# Altium PCB GEM_AFE_128.PcbDoc (part 5 of 18) (continued)
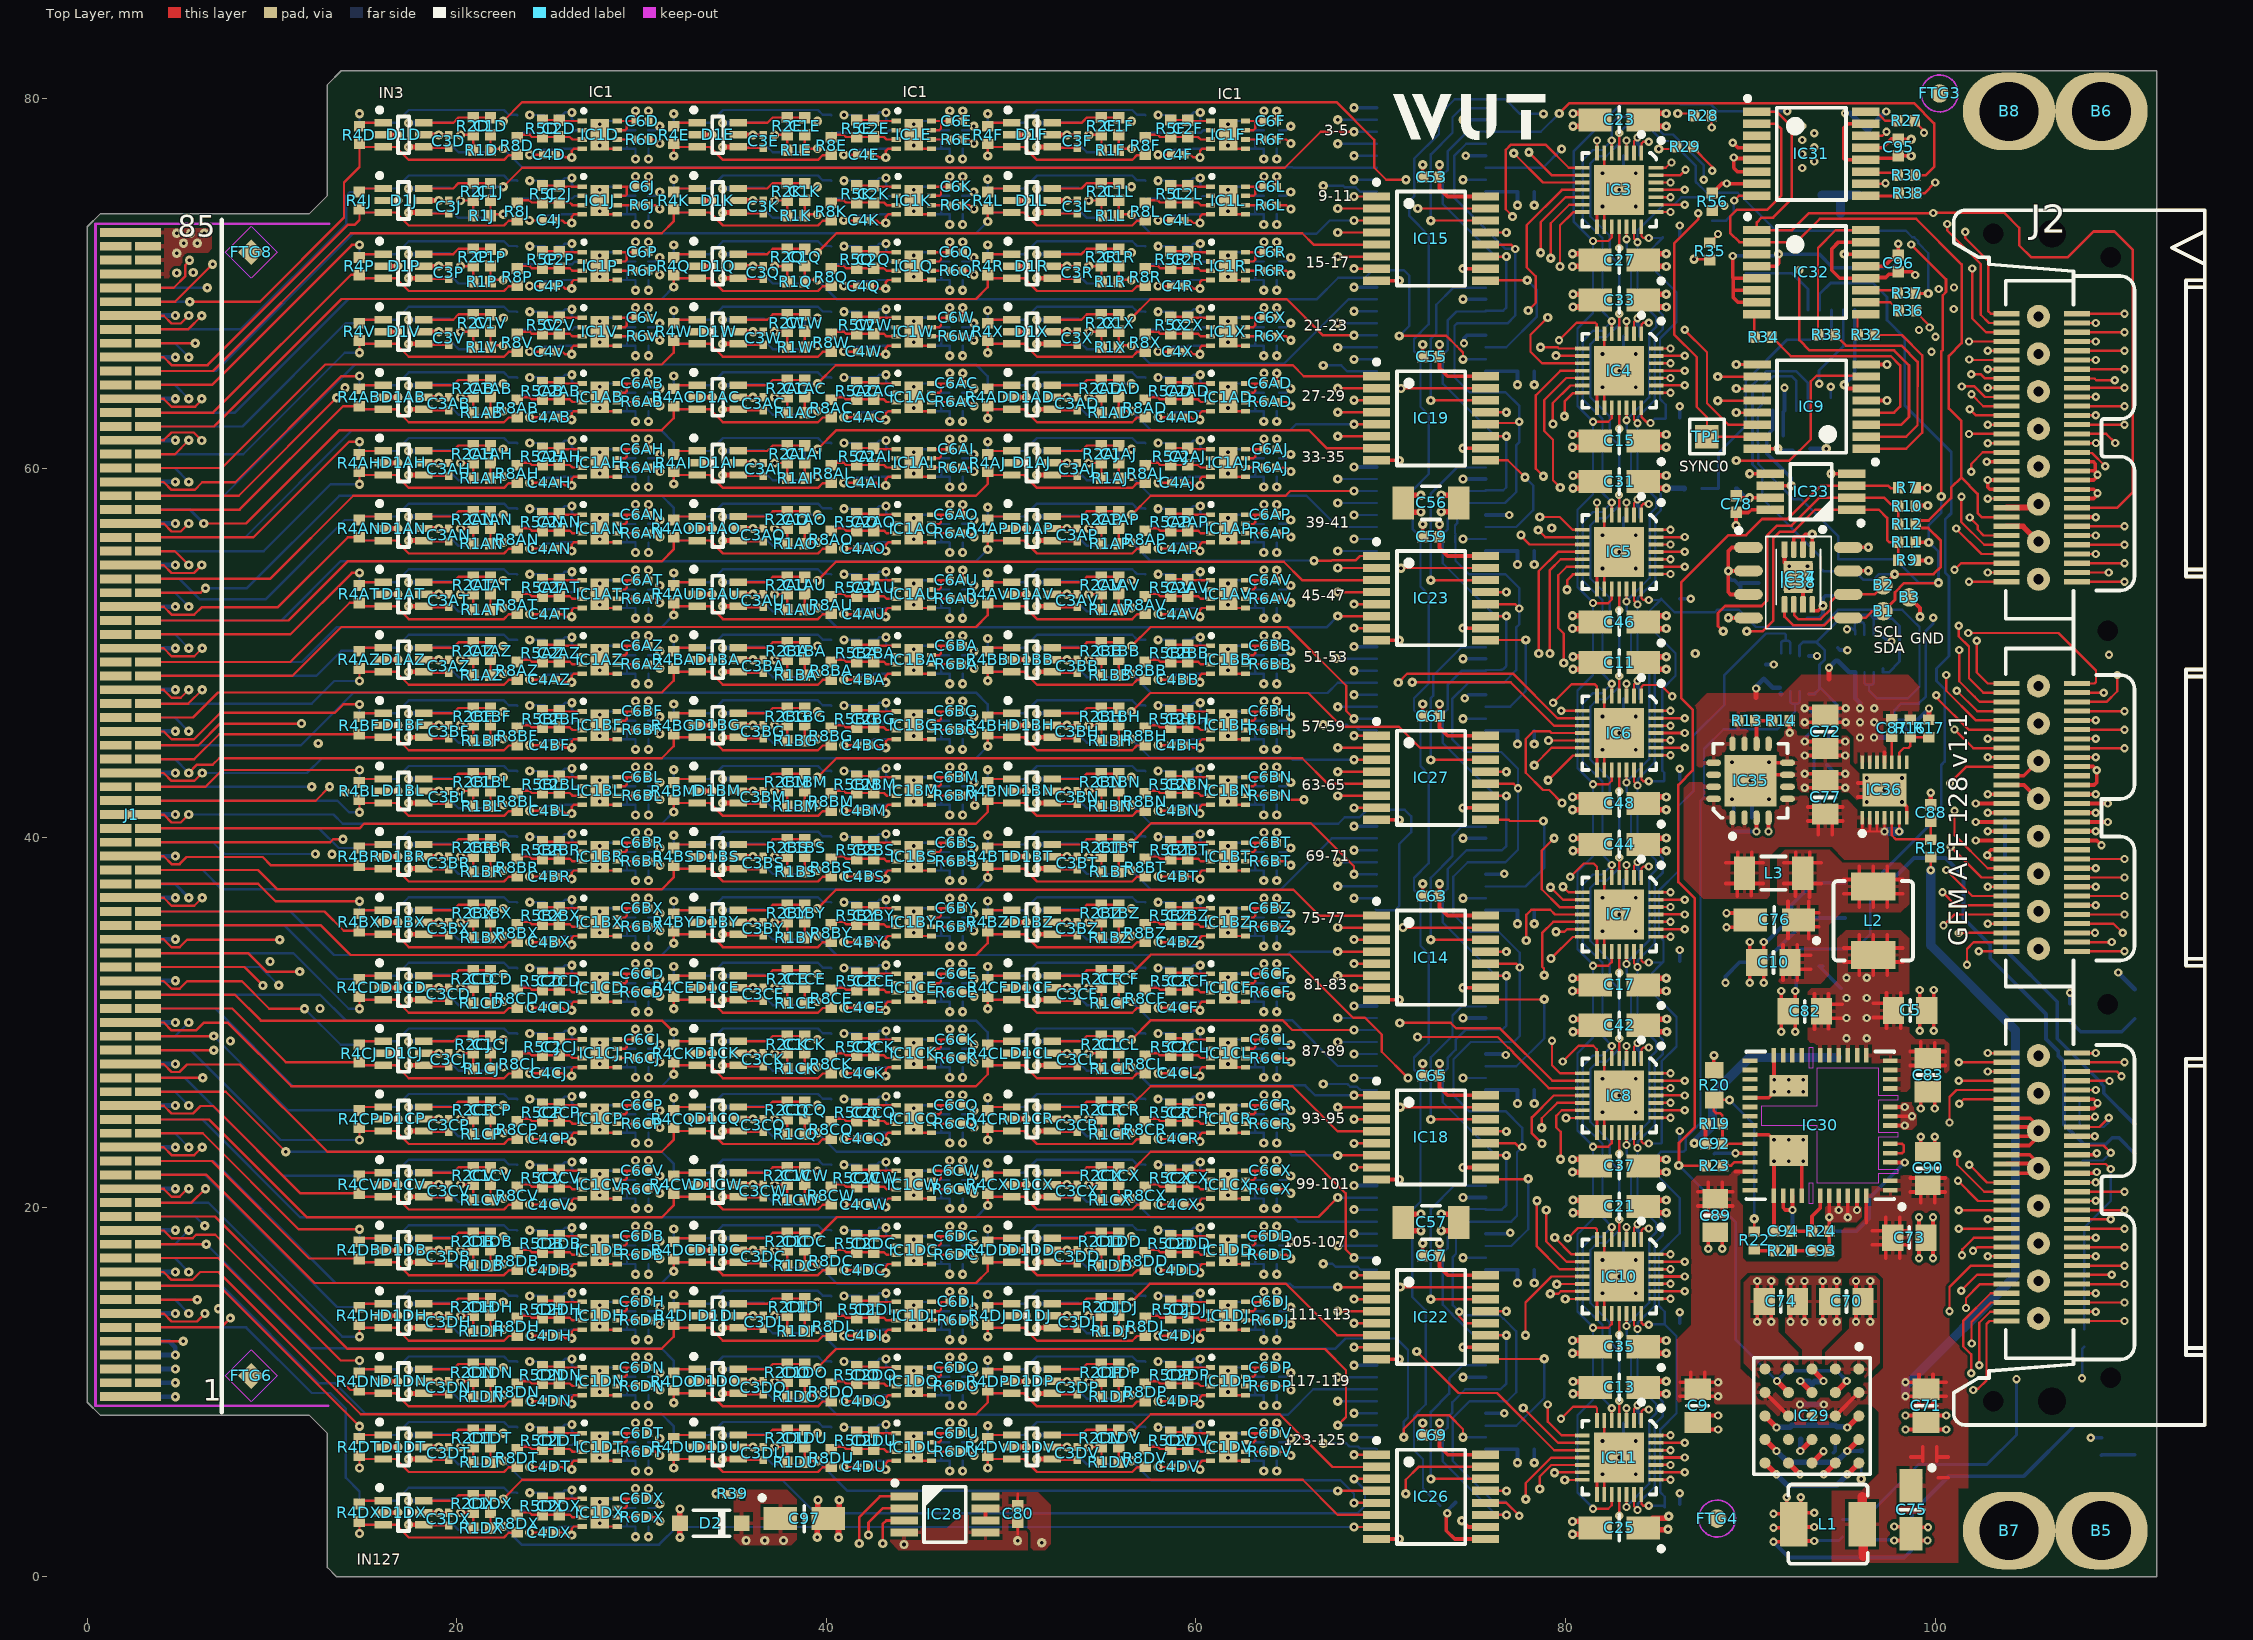
[diagram p0: Top Layer view]
## Part data (continued)
L4: library part IND0603_MURATA_BLM18PG471SN1D, Case=0603, Manufacturer=MURATA, Manufacturer Part Number=BLM18PG471SN1D, Power=1A, Resistance=0.2R, Tolerance=±25%, Author="CERN DEM BC", Component Type=Standard, ComponentHeight=0.95mm, CreateDate=17.02.2021, HelpURL=\\cern.ch\dfs\Applications\Altium\Datasheets\IND0603_MURATA_BLM18P.pdf, LatestRevisionDate=17.02.2021, Mounted=Yes, Part Description="SMD EMIFIL Chip Ferrite Bead", Part Number=IND0603_MURATA_BLM18PG471SN1D, Pin Count=2, Sense=No, SMD=Yes, Socket=No
LD1 LD2 LD3: library part LED_KINGBRIGHT_KPA-1606CGCK, "LED Green 1C 2A", Case=0603, Manufacturer=KINGBRIGHT, Manufacturer Part Number=KPA-1606CGCK, Author="CERN DEM MR", Bonding=No, Color=Green, Component Type=Standard, ComponentHeight=1.2mm, CreateDate=18.12.2017, HelpURL=\\cern.ch\dfs\Applications\Altium\Datasheets\LED_KINGBRIGHT_KPA-1606CGCK.pdf, LatestRevisionDate=18.12.2017, Mounted=Yes, PackageDescription="SMT Green LED, Right Angle Mount, Body L 1.6 x W 0.6mm H 1.2mm", Part Description="SMD Green LED, Right Angle Mount, Body L 1.6 x W 0.6mm, 1.2mm Thickness", Part Number=LED_KINGBRIGHT_KPA-1606CGCK, Pin Count=2, PressFit=No, Sense=No, SMD=Yes, Socket=No, Status="Not Recommended"
R1A R1AA R1AB R1AC R1AD R1AE R1AF R1AG R1AH R1AI R1AJ R1AK R1AL R1AM R1AN R1AO R1AP R1AQ R1AR R1AS R1AT R1AU R1AV R1AW R1AX R1AY R1AZ R1B R1BA R1BB R1BC R1BD R1BE R1BF R1BG R1BH R1BI R1BJ R1BK R1BL R1BM R1BN R1BO R1BP R1BQ R1BR R1BS R1BT R1BU R1BV R1BW R1BX R1BY R1BZ R1C R1CA R1CB R1CC R1CD R1CE R1CF R1CG R1CH R1CI R1CJ R1CK R1CL R1CM R1CN R1CO R1CP R1CQ R1CR R1CS R1CT R1CU R1CV R1CW R1CX R1CY R1CZ R1D R1DA R1DB R1DC R1DD R1DE R1DF R1DG R1DH R1DI R1DJ R1DK R1DL R1DM R1DN R1DO R1DP R1DQ R1DR R1DS R1DT R1DU R1DV R1DW R1DX R1E R1F R1G R1H R1I R1J R1K R1L R1M R1N R1O R1P R1Q R1R R1S R1T R1U R1V R1W R1X R1Y R1Z R2A R2AA R2AB R2AC R2AD R2AE R2AF R2AG R2AH R2AI R2AJ R2AK R2AL R2AM R2AN R2AO R2AP R2AQ R2AR R2AS R2AT R2AU R2AV R2AW R2AX R2AY R2AZ R2B R2BA R2BB R2BC R2BD R2BE R2BF R2BG R2BH R2BI R2BJ R2BK R2BL R2BM R2BN R2BO R2BP R2BQ R2BR R2BS R2BT R2BU R2BV R2BW R2BX R2BY R2BZ R2C R2CA R2CB R2CC R2CD R2CE R2CF R2CG R2CH R2CI R2CJ R2CK R2CL R2CM R2CN R2CO R2CP R2CQ R2CR R2CS R2CT R2CU R2CV R2CW R2CX R2CY R2CZ R2D R2DA R2DB R2DC R2DD R2DE R2DF R2DG R2DH R2DI R2DJ R2DK R2DL R2DM R2DN R2DO R2DP R2DQ R2DR R2DS R2DT R2DU R2DV R2DW R2DX R2E R2F R2G R2H R2I R2J R2K R2L R2M R2N R2O R2P R2Q R2R R2S R2T R2U R2V R2W R2X R2Y R2Z: library part R0402_100K_1%_0.0625W_100PPM, "Resistor - 1%", Case=0402, Manufacturer=GENERIC, Manufacturer1 ComponentHeight=0.4mm, Manufacturer1 Example="YAGEO PHYCOMP", Manufacturer1 Part Number=232270671004L, Power=0.0625W, Tolerance=±1%, Author="CERN DEM JLC", Component Type=Standard, CreateDate=2007-12-03, HelpURL=\\cern.ch\dfs\Applications\Altium\Datasheets\R0402_Phycomp_RC0402.pdf, LatestRevisionDate=2012-10-17, Manufacturer Part Number=R0402_100K_1%_0.0625W_100PPM, Mounted=Yes, Part Description="General Purpose Thick Film Chip Resistor", Part Number=R0402_100K_1%_0.0625W_100PPM, Pin Count=2, SMD=Yes, Socket=No, Status="Not recommended", Table="Resistors SMD", TC=±100ppm/°C
R3 R41 R44: library part R0402_1K_1%_0.0625W_100PPM, "Resistor - 1%", Case=0402, Manufacturer=GENERIC, Manufacturer1 ComponentHeight=0.4mm, Manufacturer1 Example="YAGEO PHYCOMP", Manufacturer1 Part Number=232270671002L, Power=0.0625W, Tolerance=±1%, Author="CERN DEM JLC", Component Type=Standard, CreateDate=03.12.2007, HelpURL=\\cern.ch\dfs\Applications\Altium\Datasheets\R0402_Phycomp_RC0402.pdf, LatestRevisionDate=17.10.2012, Manufacturer Part Number=R0402_1K_1%_0.0625W_100PPM, Mounted=Yes, Part Description="General Purpose Thick Film Chip Resistor", Part Number=R0402_1K_1%_0.0625W_100PPM, Pin Count=2, PressFit=No, Sense=No, SMD=Yes, Socket=No, Status="Not Recommended", TC=±100ppm/°C
R4A R4AA R4AB R4AC R4AD R4AE R4AF R4AG R4AH R4AI R4AJ R4AK R4AL R4AM R4AN R4AO R4AP R4AQ R4AR R4AS R4AT R4AU R4AV R4AW R4AX R4AY R4AZ R4B R4BA R4BB R4BC R4BD R4BE R4BF R4BG R4BH R4BI R4BJ R4BK R4BL R4BM R4BN R4BO R4BP R4BQ R4BR R4BS R4BT R4BU R4BV R4BW R4BX R4BY R4BZ R4C R4CA R4CB R4CC R4CD R4CE R4CF R4CG R4CH R4CI R4CJ R4CK R4CL R4CM R4CN R4CO R4CP R4CQ R4CR R4CS R4CT R4CU R4CV R4CW R4CX R4CY R4CZ R4D R4DA R4DB R4DC R4DD R4DE R4DF R4DG R4DH R4DI R4DJ R4DK R4DL R4DM R4DN R4DO R4DP R4DQ R4DR R4DS R4DT R4DU R4DV R4DW R4DX R4E R4F R4G R4H R4I R4J R4K R4L R4M R4N R4O R4P R4Q R4R R4S R4T R4U R4V R4W R4X R4Y R4Z: library part R0402_6K8_1%_0.0625W_100PPM, "Resistor - 1%", Case=0402, Manufacturer=GENERIC, Manufacturer1 ComponentHeight=0.4mm, Manufacturer1 Example="YAGEO PHYCOMP", Manufacturer1 Part Number=232270676802L, Power=0.0625W, Tolerance=±1%, Author="CERN DEM JLC", Component Type=Standard, CreateDate=03.12.2007, HelpURL=\\cern.ch\dfs\Applications\Altium\Datasheets\R0402_Phycomp_RC0402.pdf, LatestRevisionDate=17.10.2012, Manufacturer Part Number=R0402_6K8_1%_0.0625W_100PPM, Mounted=Yes, Part Description="General Purpose Thick Film Chip Resistor", Part Number=R0402_6K8_1%_0.0625W_100PPM, Pin Count=2, PressFit=No, Sense=No, SMD=Yes, Socket=No, Status="Not Recommended", TC=±100ppm/°C
R5A R5AA R5AB R5AC R5AD R5AE R5AF R5AG R5AH R5AI R5AJ R5AK R5AL R5AM R5AN R5AO R5AP R5AQ R5AR R5AS R5AT R5AU R5AV R5AW R5AX R5AY R5AZ R5B R5BA R5BB R5BC R5BD R5BE R5BF R5BG R5BH R5BI R5BJ R5BK R5BL R5BM R5BN R5BO R5BP R5BQ R5BR R5BS R5BT R5BU R5BV R5BW R5BX R5BY R5BZ R5C R5CA R5CB R5CC R5CD R5CE R5CF R5CG R5CH R5CI R5CJ R5CK R5CL R5CM R5CN R5CO R5CP R5CQ R5CR R5CS R5CT R5CU R5CV R5CW R5CX R5CY R5CZ R5D R5DA R5DB R5DC R5DD R5DE R5DF R5DG R5DH R5DI R5DJ R5DK R5DL R5DM R5DN R5DO R5DP R5DQ R5DR R5DS R5DT R5DU R5DV R5DW R5DX R5E R5F R5G R5H R5I R5J R5K R5L R5M R5N R5O R5P R5Q R5R R5S R5T R5U R5V R5W R5X R5Y R5Z R7 R9 R10 R14 R21 R22 R42 R43 R45 R56: library part R0402_10K_1%_0.0625W_100PPM, "Resistor - 1%", Case=0402, Manufacturer=GENERIC, Manufacturer1 ComponentHeight=0.4mm, Manufacturer1 Example="YAGEO PHYCOMP", Manufacturer1 Part Number=232270671003L, Power=0.0625W, Tolerance=±1%, Author="CERN DEM JLC", Component Type=Standard, HelpURL=\\cern.ch\dfs\Applications\Altium\Datasheets\R0402_Phycomp_RC0402.pdf, Manufacturer Part Number=R0402_10K_1%_0.0625W_100PPM, Mounted=Yes, Part Description="General Purpose Thick Film Chip Resistor", Part Number=R0402_10K_1%_0.0625W_100PPM, Pin Count=2, SMD=Yes, Socket=No, TC=±100ppm/°C
  R5A R5AA R5AB R5AC R5AD R5AE R5AF R5AG R5AH R5AI R5AJ R5AK R5AL R5AM R5AN R5AO R5AP R5AQ R5AR R5AS R5AT R5AU R5AV R5AW R5AX R5AY R5AZ R5B R5BA R5BB R5BC R5BD R5BE R5BF R5BG R5BH R5BI R5BJ R5BK R5BL R5BM R5BN R5BO R5BP R5BQ R5BR R5BS R5BT R5BU R5BV R5BW R5BX R5BY R5BZ R5C R5CA R5CB R5CC R5CD R5CE R5CF R5CG R5CH R5CI R5CJ R5CK R5CL R5CM R5CN R5CO R5CP R5CQ R5CR R5CS R5CT R5CU R5CV R5CW R5CX R5CY R5CZ R5D R5DA R5DB R5DC R5DD R5DE R5DF R5DG R5DH R5DI R5DJ R5DK R5DL R5DM R5DN R5DO R5DP R5DQ R5DR R5DS R5DT R5DU R5DV R5DW R5DX R5E R5F R5G R5H R5I R5J R5K R5L R5M R5N R5O R5P R5Q R5R R5S R5T R5U R5V R5W R5X R5Y R5Z R14 R42 R43 R45 R56: CreateDate=03.12.2007, LatestRevisionDate=17.10.2012, PressFit=No, Sense=No, Status="Not Recommended"
  R7 R9 R10: CreateDate=3/12/2007, LatestRevisionDate=17/10/2012, Status="Not recommended", Table="Resistors SMD"
  R21 R22: CreateDate=2007-12-03, LatestRevisionDate=2012-10-17, Status="Not recommended", Table="Resistors SMD"
R6A R6AA R6AB R6AC R6AD R6AE R6AF R6AG R6AH R6AI R6AJ R6AK R6AL R6AM R6AN R6AO R6AP R6AQ R6AR R6AS R6AT R6AU R6AV R6AW R6AX R6AY R6AZ R6B R6BA R6BB R6BC R6BD R6BE R6BF R6BG R6BH R6BI R6BJ R6BK R6BL R6BM R6BN R6BO R6BP R6BQ R6BR R6BS R6BT R6BU R6BV R6BW R6BX R6BY R6BZ R6C R6CA R6CB R6CC R6CD R6CE R6CF R6CG R6CH R6CI R6CJ R6CK R6CL R6CM R6CN R6CO R6CP R6CQ R6CR R6CS R6CT R6CU R6CV R6CW R6CX R6CY R6CZ R6D R6DA R6DB R6DC R6DD R6DE R6DF R6DG R6DH R6DI R6DJ R6DK R6DL R6DM R6DN R6DO R6DP R6DQ R6DR R6DS R6DT R6DU R6DV R6DW R6DX R6E R6F R6G R6H R6I R6J R6K R6L R6M R6N R6O R6P R6Q R6R R6S R6T R6U R6V R6W R6X R6Y R6Z R39: library part R0201_49R9_1%_0.05W_200PPM, "Resistor - 1%", Case=0201, Manufacturer=GENERIC, Manufacturer1 ComponentHeight=0.27mm, Manufacturer1 Example=VISHAY, Manufacturer1 Part Number=CRCW020149R9FNED, Power=0.05W, Tolerance=±1%, Author="CERN DEM BC", Component Type=Standard, CreateDate=10.01.2020, HelpURL="\\cern.ch\dfs\Applications\Altium\Datasheets\R0201_VISHAY_CRCW e3.pdf", LatestRevisionDate=10.01.2020, Manufacturer Part Number=R0201_49R9_1%_0.05W_200PPM, Mounted=Yes, Part Description="Thick Film Chip Resistor", Part Number=R0201_49R9_1%_0.05W_200PPM, Pin Count=2, PressFit=No, Sense=No, SMD=Yes, Socket=No, Status="Not Recommended", TC=±200ppm/°C
R8A R8AA R8AB R8AC R8AD R8AE R8AF R8AG R8AH R8AI R8AJ R8AK R8AL R8AM R8AN R8AO R8AP R8AQ R8AR R8AS R8AT R8AU R8AV R8AW R8AX R8AY R8AZ R8B R8BA R8BB R8BC R8BD R8BE R8BF R8BG R8BH R8BI R8BJ R8BK R8BL R8BM R8BN R8BO R8BP R8BQ R8BR R8BS R8BT R8BU R8BV R8BW R8BX R8BY R8BZ R8C R8CA R8CB R8CC R8CD R8CE R8CF R8CG R8CH R8CI R8CJ R8CK R8CL R8CM R8CN R8CO R8CP R8CQ R8CR R8CS R8CT R8CU R8CV R8CW R8CX R8CY R8CZ R8D R8DA R8DB R8DC R8DD R8DE R8DF R8DG R8DH R8DI R8DJ R8DK R8DL R8DM R8DN R8DO R8DP R8DQ R8DR R8DS R8DT R8DU R8DV R8DW R8DX R8E R8F R8G R8H R8I R8J R8K R8L R8M R8N R8O R8P R8Q R8R R8S R8T R8U R8V R8W R8X R8Y R8Z: library part R0402_22R_1%_0.0625W_100PPM, "Resistor - 1%", Case=0402, Manufacturer=GENERIC, Manufacturer1 ComponentHeight=0.4mm, Manufacturer1 Example="YAGEO PHYCOMP", Manufacturer1 Part Number=232270672209L, Power=0.0625W, Tolerance=±1%, Author="CERN DEM JLC", Component Type=Standard, CreateDate=2007-12-03, HelpURL=\\cern.ch\dfs\Applications\Altium\Datasheets\R0402_Phycomp_RC0402.pdf, LatestRevisionDate=2012-10-17, Manufacturer Part Number=R0402_22R_1%_0.0625W_100PPM, Mounted=Yes, Part Description="General Purpose Thick Film Chip Resistor", Part Number=R0402_22R_1%_0.0625W_100PPM, Pin Count=2, SMD=Yes, Socket=No, Status="Not recommended", Table="Resistors SMD", TC=±100ppm/°C
R11 R12 R18: library part R0402_0R_JUMPER, "Resistor - 1%", Case=0402, Manufacturer=GENERIC, Manufacturer1 ComponentHeight=0.4mm, Manufacturer1 Example=PHYCOMP, Manufacturer1 Part Number=232270591001, Author="CERN DEM JLC", Component Type=Standard, CreateDate=2007-12-03, HelpURL=\\cern.ch\dfs\Applications\Altium\Datasheets\R0402_Phycomp_RC0402.pdf, LatestRevisionDate=2008-03-13, Manufacturer Part Number=R0402_0R_JUMPER, Mounted=Yes, Part Description="1A (0.05R Max DC Resistance) Zero Ohm Jumper", Part Number=R0402_0R_JUMPER, Pin Count=2, SMD=Yes, Socket=No, Status="Not recommended", Table="Resistors SMD"
R13 R16: library part R0402_56K_1%_0.0625W_100PPM, "Resistor - 1%", Case=0402, Manufacturer=GENERIC, Manufacturer1 ComponentHeight=0.4mm, Manufacturer1 Example="YAGEO PHYCOMP", Manufacturer1 Part Number=232270675603L, Power=0.0625W, Tolerance=±1%, Author="CERN DEM JLC", Component Type=Standard, CreateDate=03.12.2007, HelpURL=\\cern.ch\dfs\Applications\Altium\Datasheets\R0402_Phycomp_RC0402.pdf, LatestRevisionDate=17.10.2012, Manufacturer Part Number=R0402_56K_1%_0.0625W_100PPM, Mounted=Yes, Part Description="General Purpose Thick Film Chip Resistor", Part Number=R0402_56K_1%_0.0625W_100PPM, Pin Count=2, PressFit=No, Sense=No, SMD=Yes, Socket=No, Status="Not Recommended", TC=±100ppm/°C
R15: library part R0402_6K04_1%_0.063W_100PPM, "Resistor - 1%", Case=0402, Manufacturer=GENERIC, Manufacturer1 ComponentHeight=0.4mm, Manufacturer1 Example=VISHAY, Manufacturer1 Part Number=CRCW04026K04FK, Power=0.063W, Tolerance=±1%, Author="CERN DEM BC", Component Type=Standard, CreateDate=10.01.2020, HelpURL="\\cern.ch\dfs\Applications\Altium\Datasheets\R0402_VISHAY_CRCW e3.pdf", LatestRevisionDate=10.01.2020, Manufacturer Part Number=R0402_6K04_1%_0.063W_100PPM, Mounted=Yes, Part Description="General Purpose Thick Film Chip Resistor", Part Number=R0402_6K04_1%_0.063W_100PPM, Pin Count=2, PressFit=No, Sense=No, SMD=Yes, Socket=No, Status=None, TC=±100ppm/°C
R17: library part R0402_12K4_1%_0.0625W_100PPM, "Resistor - 1%", Case=0402, Manufacturer=GENERIC, Manufacturer1 ComponentHeight=0.4mm, Manufacturer1 Example="VISHAY BEYSCHLAG", Manufacturer1 Part Number=CRCW040212K4FKEDC, Power=0.0625W, Tolerance=±1%, Author="CERN DEM JLC", Component Type=Standard, CreateDate=24.10.2012, HelpURL=\\cern.ch\dfs\Applications\Altium\Datasheets\R0402_Phycomp_RC0402.pdf, LatestRevisionDate=24.10.2012, Manufacturer Part Number=R0402_12K4_1%_0.0625W_100PPM, Mounted=Yes, Part Description="General Purpose Thick Film Chip Resistor", Part Number=R0402_12K4_1%_0.0625W_100PPM, Pin Count=2, PressFit=No, Sense=No, SMD=Yes, Socket=No, Status="Not Recommended", TC=±100ppm/°C
R19: library part R0402_5k6_1%_0.0625W_100PPM, "Resistor - 1%", Case=0402, Manufacturer=GENERIC, Manufacturer1 ComponentHeight=0.4mm, Manufacturer1 Example="YAGEO PHYCOMP", Manufacturer1 Part Number=232270675602L, Manufacturer Part Number=R0402_5K6_1%_0.0625W_100PPM, Power=0.0625W, Tolerance=±1%, Author="CERN DEM JLC", Component Type=Standard, CreateDate=03.12.2007, HelpURL=\\cern.ch\dfs\Applications\Altium\Datasheets\R0402_Phycomp_RC0402.pdf, LatestRevisionDate=17.10.2012, Mounted=Yes, Part Description="General Purpose Thick Film Chip Resistor", Part Number=R0402_5K6_1%_0.0625W_100PPM, Pin Count=2, PressFit=No, Sense=No, SMD=Yes, Socket=No, Status="Not Recommended", TC=±100ppm/°C
R20: library part R0603_1K6_1%_0.1W_100PPM, "Resistor - 1%", Case=0603, Manufacturer=GENERIC, Manufacturer1 ComponentHeight=0.55mm, Manufacturer1 Example="NIC COMPONENT", Manufacturer1 Part Number=NRC06F1601TRF, Power=0.1W, Tolerance=±1%, Author="CERN DEM JLC", Component Type=Standard, CreateDate=03.12.2007, HelpURL=\\cern.ch\dfs\Applications\Altium\Datasheets\R0603_NIC_NRC.pdf, LatestRevisionDate=13.03.2008, Manufacturer Part Number=R0603_1K6_1%_0.1W_100PPM, Mounted=Yes, Part Description="General Purpose Thick Film Chip Resistor", Part Number=R0603_1K6_1%_0.1W_100PPM, Pin Count=2, PressFit=No, Sense=No, SMD=Yes, Socket=No, Status=Preferred, TC=±100ppm/°C
R23 R24 R46: library part R0402_1K6_1%_0.0625W_100PPM, "Resistor - 1%", Case=0402, Manufacturer=GENERIC, Manufacturer1 ComponentHeight=0.4mm, Manufacturer1 Example="YAGEO PHYCOMP", Manufacturer1 Part Number=232270671602L, Power=0.0625W, Tolerance=±1%, Author="CERN DEM JLC", Component Type=Standard, CreateDate=03.12.2007, HelpURL=\\cern.ch\dfs\Applications\Altium\Datasheets\R0402_Phycomp_RC0402.pdf, LatestRevisionDate=17.10.2012, Manufacturer Part Number=R0402_1K6_1%_0.0625W_100PPM, Mounted=Yes, Part Description="General Purpose Thick Film Chip Resistor", Part Number=R0402_1K6_1%_0.0625W_100PPM, Pin Count=2, PressFit=No, Sense=No, SMD=Yes, Socket=No, Status="Not Recommended", TC=±100ppm/°C
R25: library part R0402_NO-VALUE, "Resistor", Case=0402, Author="CERN DEM JLC", Component Type=Standard, CreateDate=03.12.2007, HelpURL=Undefined, LatestRevisionDate=13.03.2008, Manufacturer=Undefined, Manufacturer1 ComponentHeight=Undefined, Manufacturer1 Example=Undefined, Manufacturer1 Part Number=Undefined, Manufacturer Part Number=R0402_NO-VALUE, Mounted=No, Part Description="Reserved Footprint For a 0402 (1005) Chip Resistor", Part Number=R0402_NO-VALUE, Pin Count=2, PressFit=No, Sense=No, SMD=Yes, Socket=No, Status=None
R26 R27 R28 R29 R30 R31 R32 R33 R34 R35 R36 R37 R38: library part R0402_130R_1%_0.0625W_100PPM, "Resistor - 1%", Case=0402, Manufacturer=GENERIC, Manufacturer1 ComponentHeight=0.4mm, Manufacturer1 Example="YAGEO PHYCOMP", Manufacturer1 Part Number=232270671301L, Power=0.0625W, Tolerance=±1%, Author="CERN DEM JLC", Component Type=Standard, CreateDate=2007-12-03, HelpURL=\\cern.ch\dfs\Applications\Altium\Datasheets\R0402_Phycomp_RC0402.pdf, LatestRevisionDate=2012-10-17, Manufacturer Part Number=R0402_130R_1%_0.0625W_100PPM, Mounted=Yes, Part Description="General Purpose Thick Film Chip Resistor", Part Number=R0402_130R_1%_0.0625W_100PPM, Pin Count=2, SMD=Yes, Socket=No, Status="Not recommended", Table="Resistors SMD", TC=±100ppm/°C
R40: library part R0402_12K_1%_0.0625W_100PPM, "Resistor - 1%", Case=0402, Manufacturer=GENERIC, Manufacturer1 ComponentHeight=0.4mm, Manufacturer1 Example="YAGEO PHYCOMP", Manufacturer1 Part Number=232270671203L, Power=0.0625W, Tolerance=±1%, Author="CERN DEM JLC", Component Type=Standard, CreateDate=03.12.2007, HelpURL=\\cern.ch\dfs\Applications\Altium\Datasheets\R0402_Phycomp_RC0402.pdf, LatestRevisionDate=17.10.2012, Manufacturer Part Number=R0402_12K_1%_0.0625W_100PPM, Mounted=Yes, Part Description="General Purpose Thick Film Chip Resistor", Part Number=R0402_12K_1%_0.0625W_100PPM, Pin Count=2, PressFit=No, Sense=No, SMD=Yes, Socket=No, Status="Not Recommended", TC=±100ppm/°C
R47 R49 R50: library part R0402_1K3_1%_0.0625W_100PPM, "Resistor - 1%", Case=0402, Manufacturer=GENERIC, Manufacturer1 ComponentHeight=0.4mm, Manufacturer1 Example="YAGEO PHYCOMP", Manufacturer1 Part Number=232270671302L, Power=0.0625W, Tolerance=±1%, Author="CERN DEM JLC", Component Type=Standard, CreateDate=03.12.2007, HelpURL=\\cern.ch\dfs\Applications\Altium\Datasheets\R0402_Phycomp_RC0402.pdf, LatestRevisionDate=17.10.2012, Manufacturer Part Number=R0402_1K3_1%_0.0625W_100PPM, Mounted=Yes, Part Description="General Purpose Thick Film Chip Resistor", Part Number=R0402_1K3_1%_0.0625W_100PPM, Pin Count=2, PressFit=No, Sense=No, SMD=Yes, Socket=No, Status="Not Recommended", TC=±100ppm/°C
R48: library part R0402_7K5_1%_0.0625W_100PPM, "Resistor - 1%", Case=0402, Manufacturer=GENERIC, Manufacturer1 ComponentHeight=0.4mm, Manufacturer1 Example="YAGEO PHYCOMP", Manufacturer1 Part Number=232270677502L, Power=0.0625W, Tolerance=±1%, Author="CERN DEM JLC", Component Type=Standard, CreateDate=03.12.2007, HelpURL=\\cern.ch\dfs\Applications\Altium\Datasheets\R0402_Phycomp_RC0402.pdf, LatestRevisionDate=17.10.2012, Manufacturer Part Number=R0402_7K5_1%_0.0625W_100PPM, Mounted=Yes, Part Description="General Purpose Thick Film Chip Resistor", Part Number=R0402_7K5_1%_0.0625W_100PPM, Pin Count=2, PressFit=No, Sense=No, SMD=Yes, Socket=No, Status="Not Recommended", TC=±100ppm/°C
R51 R52 R54 R55: library part R0402_2K_1%_0.0625W_100PPM, "Resistor - 1%", Case=0402, Manufacturer=GENERIC, Manufacturer1 ComponentHeight=0.4mm, Manufacturer1 Example="YAGEO PHYCOMP", Manufacturer1 Part Number=232270672002L, Power=0.0625W, Tolerance=±1%, Author="CERN DEM JLC", Component Type=Standard, CreateDate=03.12.2007, HelpURL=\\cern.ch\dfs\Applications\Altium\Datasheets\R0402_Phycomp_RC0402.pdf, LatestRevisionDate=17.10.2012, Manufacturer Part Number=R0402_2K_1%_0.0625W_100PPM, Mounted=Yes, Part Description="General Purpose Thick Film Chip Resistor", Part Number=R0402_2K_1%_0.0625W_100PPM, Pin Count=2, PressFit=No, Sense=No, SMD=Yes, Socket=No, Status="Not Recommended", TC=±100ppm/°C
R53: library part R0402_1K5_1%_0.0625W_100PPM, "Resistor - 1%", Case=0402, Manufacturer=GENERIC, Manufacturer1 ComponentHeight=0.4mm, Manufacturer1 Example="YAGEO PHYCOMP", Manufacturer1 Part Number=232270671502L, Power=0.0625W, Tolerance=±1%, Author="CERN DEM JLC", Component Type=Standard, CreateDate=03.12.2007, HelpURL=\\cern.ch\dfs\Applications\Altium\Datasheets\R0402_Phycomp_RC0402.pdf, LatestRevisionDate=17.10.2012, Manufacturer Part Number=R0402_1K5_1%_0.0625W_100PPM, Mounted=Yes, Part Description="General Purpose Thick Film Chip Resistor", Part Number=R0402_1K5_1%_0.0625W_100PPM, Pin Count=2, PressFit=No, Sense=No, SMD=Yes, Socket=No, Status="Not Recommended", TC=±100ppm/°C
T1: "N-CHANNEL MOSFET WITH DIODE", Case=SOT23-3, Manufacturer="ON SEMICONDUCTOR", Manufacturer Part Number=BSS138L, Author="CERN DEM JLC", Bonding=No, Component Type=Standard, ComponentHeight=1.11mm, CreateDate=23.03.2009, Device=BSS138LT1G, HelpURL=\\cern.ch\dfs\Applications\Altium\Datasheets\BSS138LT1G.pdf, LatestRevisionDate=25.05.2022, Mounted=Yes, PackageDescription="SOT23, 0.95mm Pitch; 3 Pin, 1.40mm W X 3.00mm L X 1.10mm H body, IPC Medium Density", Part Description="50V, 200mA N-Channel Enhancement Mode Field-Effect Transistor", Part Number=BSS138LT1G, Pin Count=3, PressFit=No, Sense=No, SMD=Yes, Socket=No
TP1: library part SMD_PAD_1.27X1.27MM, Author="CERN DEM JLC", Component Type="Standard (No BOM)", ComponentHeight=0mm, CreateDate=12.01.2008, Family="Test Point", HelpURL=Undefined, LatestRevisionDate=12.01.2008, Mounted=No, PackageDescription="1.27mm x 1.27mm PCB Copper Area (SMD Test Point)", Part Description="1.27mm x 1.27mm PCB Copper Area (SMD Test Point)", Part Number=SMD_PAD_1.27X1.27MM, Pin Count=1, Sense=No, SMD=Yes, Socket=No, Status=None
TP2 TP3: "Testpoint"
TP4 TP5: library part SMD_PAD_D1MM, "Pad", Author="CERN DEM JLC", Component Type="Standard (No BOM)", ComponentHeight=0mm, CreateDate=10.10.2017, Family="SMD Pad", HelpURL=Undefined, LatestRevisionDate=10.10.2017, Mounted=No, PackageDescription="1mm Diameter SMD Pad", Part Description="1mm Diameter SMD Pad", Part Number=SMD_PAD_D1MM, Pin Count=1, Sense=No, SMD=Yes, Socket=No, Status=None
U1 U2: "Operational Amplifiers - Op Amps Very high accuracy (25 uV) zero drift 5V CMOS Op-Amps", Manufacturer 1 Component Height=0.6mm, Manufacturer 1 Example="ST Microelectronics", Supplier Part Number 1=511-TSZ182IQ2T, Author=KB, Create Date=10.07.2022, DesignItemId=TSZ182IQ2T, Device=TSZ182IQ2T, HelpURL=https://www.mouser.pl/datasheet/2/389/tsz181-1852564.pdf, LatestRevisionDate=10.07.2022, Manufacturer 1 Part Number=TSZ182IQ2T, Mounted=Yes, Part Description="Operational Amplifiers - Op Amps Very high accuracy (25 uV) zero drift 5V CMOS Op-Amps", Pin Count=8, PressFit=No, Sense=No, SMD=Yes, Socket=No, Supplier 1=Mouser

## Via types
v1: diameter 0.5, hole 0.2, Top Layer to Bottom Layer, tented both sides, 1849 vias
v2: diameter 0.45, hole 0.2, Top Layer to Bottom Layer, tented both sides, 506 vias
v3: diameter 0.45, hole 0.2, Top Layer to Bottom Layer, 14 vias

## Nets (pads, with @x,y where several pads share a name; then routed paths per layer and width w, separated by ;. In a path a pad name is that pad's centre, name@x,y a point inside that pad or via, vN(x,y) a via of type N, cw(c..) or ccw(c..) an arc to the next point about the centre after c; other vN are vias at no path point)
3P3VAUX: C78.1 C79.1 C80.1 C100.1 IC2.16 IC28.6 IC28.7 IC28.8 IC33.6 IC33.8 IC34.1 IC34.2 IC34.3 IC34.8 IC37.1 IC37.2 IC37.3 IC37.8 IC38.1 IC38.2 IC38.3 IC38.8 IC39.1 IC39.2 IC39.3 IC39.8 J2.41 R7.2 R9.2 R10.2 | length 30.3
  Top Layer w0.127: C80.1@50.35,3.834 50.35,4.506 ; v2(102.84,58.345) 102.842,58.347 J2.41@103.861,58.347
  Top Layer w0.2: IC28.6@48.61,3.05 IC28.7@48.61,3.7 ; v1@88.815,54.427 IC38.2@89.513,54.427 ; v1(89.221,56.886) 89.226,56.891 C78.1@89.226,57.589 ; C78.1@89.233,57.596 89.883,57.596 90.029,57.742 IC33.8@91.083,57.742 ; IC38.3@89.513,53.157 88.927,53.157 88.81,53.274 v1(88.81,54.432) 88.81,55.509 88.997,55.697 IC38.1@89.513,55.697 ; IC33.6@91.083,59.042 v1(92.206,59.042) ; IC37.3@92.348,55.549 92.348,56.214 92.413,56.279 92.848,56.279 ; IC37.2@92.848,55.549 IC34.2@92.848,55.599 92.848,56.279 ; v1(93.346,56.418) 93.337,56.409 92.978,56.409 92.848,56.279 ; IC37.8@93.348,52.649 93.348,52.349 93.422,52.275 93.656,52.275 v1(93.926,52.545) ; IC37.1@93.351,55.715 v1@93.351,56.413 ; IC38.8@95.683,55.712 v1@96.381,55.712 ; R10.2@98.945,57.941 98.972,57.969 v1(99.592,57.969) ; R9.2@98.945,54.998 v1@99.643,54.998 ; R7.2@98.945,58.923 98.95,58.918 v1(99.588,58.918)
  Bottom Layer w0.2: IC39.1@90.448,53.124 89.633,53.124 89.467,53.29 89.467,53.61 ; IC39.2@90.448,53.774 89.467,53.774 89.467,53.61 ; IC39.3@90.448,54.424 88.817,54.424 v1(88.81,54.432) 88.81,54.094 88.972,53.931 89.146,53.931 89.467,53.61 ; IC2.16@91.211,63.109 91.211,62.084 C100.1@90.881,61.754 90.881,60.79 92.206,59.464 v1(92.206,59.042) ; C79.1@93.07,51.873 93.72,51.873 93.926,52.079 v1(93.926,52.545) 93.926,52.952 94.06,53.086 94.71,53.086 IC39.8@94.748,53.124
  other v1: 51.65,1.85 99.648,54.993 96.387,55.707
CAL_IN0: C1A.2 IC13.15 R1A.2 | length 57.8
  Top Layer w0.127: v1(22.514,78.766) 23.548,79.8 67.605,79.8 69.65,77.755 69.65,76.25 70.3,75.6 v1(71.367,75.6)
  L4 w0.127: v1(71.367,75.6) v1@74.421,75.6 ; v1@74.421,75.629 v1(74.45,75.6)
  Bottom Layer w0.127: C1A.2@21.826,78.005 21.827,78.84 R1A.2@21.852,78.866 ; R1A.2@21.852,78.766 v1(22.514,78.766) ; v1(74.45,75.6) IC13.15@75.675,75.6
CAL_IN1: C1B.2 IC13.1 R1B.2 | length 33.4
  L6 w0.127: v1(39.514,78.766) 40.779,77.5 43.75,77.5 44.979,76.271 65.897,76.271 v1(66.892,75.276)
  Bottom Layer w0.127: C1B.2@38.826,78.005 38.827,78.84 R1B.2@38.852,78.866 ; R1B.2@38.852,78.766 v1(39.514,78.766) ; v1(66.892,75.276) 67.974,75.276 68.065,75.185 68.642,75.185 68.876,74.95 IC13.1@69.775,74.95
CAL_IN2: C1C.2 IC13.2 R1C.2 | length 20.4
  L6 w0.127: v1(56.514,78.766) 57.748,80 68.85,80 69.2,79.65 69.2,76.25 v1(68.55,75.6)
  Bottom Layer w0.127: C1C.2@55.826,78.005 55.827,78.84 R1C.2@55.852,78.866 ; R1C.2@55.852,78.766 v1(56.514,78.766) ; v1(68.55,75.6) IC13.2@69.775,75.6
CAL_IN3: C1D.2 IC13.3 R1D.2 | length 49.2
  Top Layer w0.127: C1D.2@21.826,78.045 21.827,77.21 R1D.2@21.852,77.184 ; R1D.2@21.852,77.284 v1(22.514,77.284)
  Bottom Layer w0.127: v1(22.514,77.284) 23.523,76.275 65.225,76.275 65.25,76.25 IC13.3@69.775,76.25
CAL_IN4: C1E.2 IC13.4 R1E.2 | length 36
  Top Layer w0.127: C1E.2@38.826,78.045 38.827,77.21 R1E.2@38.852,77.184 ; R1E.2@38.852,77.284 v1(39.514,77.284)
  L6 w0.127: v1(39.514,77.284) 39.05,77.748 39.05,78.954 39.396,79.3 40,79.3 41.289,78.011 49.589,78.011 50.8,76.8 56.8,76.8 57.45,77.45 60.9,77.45 61.4,76.95 62.8,76.95 62.992,77.142 67.208,77.142 67.45,76.9 v1(68.55,76.9)
  Bottom Layer w0.127: v1(68.55,76.9) IC13.4@69.775,76.9
CAL_IN5: C1F.2 IC13.5 R1F.2 | length 15.3
  Top Layer w0.127: C1F.2@55.826,78.045 55.827,77.21 R1F.2@55.852,77.184 ; R1F.2@55.852,77.284 v1(56.514,77.284)
  L6 w0.127: v1(56.514,77.284) 57.229,78 67.225,78 v1(67.675,77.55)
  Bottom Layer w0.127: v1(67.675,77.55) IC13.5@69.775,77.55
CAL_IN6: C1G.2 IC13.6 R1G.2 | length 50
  Top Layer w0.127: v1(22.514,75.216) 23.548,76.25 64.8,76.25 66.75,78.2 v1(68.55,78.2)
  Bottom Layer w0.127: C1G.2@21.826,74.455 21.827,75.29 R1G.2@21.852,75.316 ; R1G.2@21.852,75.216 v1(22.514,75.216) ; v1(68.55,78.2) IC13.6@69.775,78.2
CAL_IN7: C1H.2 IC13.7 R1H.2 | length 38.3
  L6 w0.127: v1(39.514,75.216) 38.51,76.219 38.51,78.911 39.349,79.75 53.8,79.75 55.3,78.25 56.75,78.25 57,78.5 60.5,78.5 61.05,79.05 62.4,79.05 62.6,78.85 64.907,78.85 64.96,78.904 65.304,78.904 65.358,78.85 v1(67.675,78.85)
  Bottom Layer w0.127: C1H.2@38.826,74.455 38.827,75.29 R1H.2@38.852,75.316 ; R1H.2@38.852,75.216 v1(39.514,75.216) ; v1(67.675,78.85) IC13.7@69.775,78.85
CAL_IN8: C1I.2 IC15.15 R1I.2 | length 22
  Top Layer w0.127: v1(72,74.041) IC15.15@75.673,74.041
  L6 w0.127: v1(56.514,75.216) 57.384,75.216 57.6,75 60.5,75 61.15,75.65 62.5,75.65 62.789,75.361 65.889,75.361 66.5,74.75 67.2,74.75 67.6,75.15 70.891,75.15 v1(72,74.041)
  Bottom Layer w0.127: C1I.2@55.826,74.455 55.827,75.29 R1I.2@55.852,75.316 ; R1I.2@55.852,75.216 v1(56.514,75.216)
CAL_IN9: C1J.2 IC15.1 R1J.2 | length 51.4
  Top Layer w0.127: C1J.2@21.826,74.495 21.827,73.66 R1J.2@21.852,73.634 ; R1J.2@21.852,73.734 v1(22.514,73.734) ; v1(68.549,74.691) IC15.1@69.773,74.691
  L6 w0.127: v1(22.514,73.734) 23.241,74.462 32.138,74.462 33.3,73.3 37.25,73.3 38.457,74.507 46.757,74.507 47.65,75.4 48.25,75.4 48.5,75.15 49.15,75.15 49.7,75.7 54.45,75.7 55.7,74.45 67.3,74.45 67.541,74.691 v1(68.549,74.691)
CAL_IN10: C1K.2 IC15.2 R1K.2 | length 33.9
  Top Layer w0.127: C1K.2@38.826,74.495 38.827,73.66 R1K.2@38.852,73.634 ; R1K.2@38.852,73.734 v1(39.514,73.734) ; v1(67.673,74.041) IC15.2@69.773,74.041
  L6 w0.127: v1(39.514,73.734) 39.829,74.05 43.45,74.05 44.1,73.4 46.191,73.4 47.278,74.487 49.713,74.487 51,73.2 56.95,73.2 57.65,73.9 60.6,73.9 61.1,73.4 62.6,73.4 62.789,73.589 65.889,73.589 66.341,74.041 v1(67.673,74.041)
CAL_IN11: C1L.2 IC15.3 R1L.2 | length 15.5
  Top Layer w0.127: C1L.2@55.826,74.495 55.827,73.66 R1L.2@55.852,73.634 ; R1L.2@55.852,73.734 v1(56.514,73.734) ; v1(68.548,73.391) IC15.3@69.773,73.391
  Bottom Layer w0.127: v1(56.514,73.734) 57.573,72.675 66.525,72.675 67.241,73.391 v1(68.548,73.391)
CAL_IN12: C1M.2 IC15.4 R1M.2 | length 49.2
  Top Layer w0.127: v1(67.673,72.741) IC15.4@69.773,72.741
  L6 w0.127: v1(22.514,71.666) 23.589,72.741 v1(67.673,72.741)
  Bottom Layer w0.127: C1M.2@21.826,70.905 21.827,71.74 R1M.2@21.852,71.766 ; R1M.2@21.852,71.666 v1(22.514,71.666)
CAL_IN13: C1N.2 IC15.5 R1N.2 | length 32.5
  Top Layer w0.127: v1(39.514,71.666) 40.548,72.7 65.75,72.7 66.359,72.091 68.548,72.091 IC15.5@69.773,72.091
  Bottom Layer w0.127: C1N.2@38.826,70.905 38.827,71.74 R1N.2@38.852,71.766 ; R1N.2@38.852,71.666 v1(39.514,71.666)
CAL_IN14: C1O.2 IC15.6 R1O.2 | length 15.7
  Top Layer w0.127: v1(67.673,71.441) IC15.6@69.773,71.441
  L6 w0.127: v1(56.514,71.666) 56.879,71.3 60.45,71.3 61.15,72 62.5,72 62.8,71.7 64.65,71.7 64.95,72 67.114,72 v1(67.673,71.441)
  Bottom Layer w0.127: C1O.2@55.826,70.905 55.827,71.74 R1O.2@55.852,71.766 ; R1O.2@55.852,71.666 v1(56.514,71.666)
CAL_IN15: C1P.2 IC15.7 R1P.2 | length 51.1
  Top Layer w0.127: C1P.2@21.826,70.945 21.827,70.11 R1P.2@21.852,70.084 ; R1P.2@21.852,70.184 v1(22.514,70.184) ; v1(68.548,70.791) IC15.7@69.773,70.791
  L6 w0.127: v1(22.514,70.184) 23.259,70.93 32.28,70.93 33.45,72.1 36.75,72.1 37.932,70.918 49.668,70.918 50.8,72.05 54.15,72.05 55.273,70.927 65.568,70.927 65.705,70.791 v1(68.548,70.791)
CAL_IN16: C1Q.2 IC17.15 R1Q.2 | length 43.7
  Top Layer w0.127: C1Q.2@38.826,70.945 38.827,70.11 R1Q.2@38.852,70.084 ; R1Q.2@38.852,70.184 v1(39.514,70.184) ; v1(71,67.15) 73.55,67.15 74.11,66.59 74.11,66.588 74.338,66.36 74.34,66.36 74.449,66.251 v1(74.45,65.879)
  Bottom Layer w0.127: v1(39.514,70.184) 40.573,69.125 66.525,69.125 67.7,70.3 69.15,70.3 69.55,70.7 71.25,70.7 71.55,70.4 71.55,67.7 v1(71,67.15) ; v1(74.45,65.879) IC17.15@75.675,65.879
CAL_IN17: C1R.2 IC17.1 R1R.2 | length 24.6
  Top Layer w0.127: C1R.2@55.826,70.945 55.827,70.11 R1R.2@55.852,70.084 ; R1R.2@55.852,70.184 v1(56.514,70.184)
  L6 w0.127: v1(56.514,70.184) 57.334,70.184 57.55,70.4 60.6,70.4 61.1,69.9 62.3,69.9 62.6,70.2 64.6,70.2 65.6,69.2 68.969,69.2 69.726,68.443 69.726,66.026 69,65.3 67.85,65.3 67.596,65.554 v1(66.892,65.554)
  Bottom Layer w0.127: v1(66.892,65.554) 67.86,65.554 68.185,65.229 IC17.1@69.775,65.229
CAL_IN18: C1S.2 IC17.2 R1S.2 | length 51.1
  L6 w0.127: v1(22.514,68.116) 23.279,67.35 32.9,67.35 34.65,65.6 56.4,65.6 57.515,66.715 60.635,66.715 61.15,66.2 62.45,66.2 63,66.75 64.45,66.75 64.9,66.3 67,66.3 67.421,65.879 v1(68.55,65.879)
  Bottom Layer w0.127: C1S.2@21.826,67.355 21.827,68.19 R1S.2@21.852,68.216 ; R1S.2@21.852,68.116 v1(22.514,68.116) ; v1(68.55,65.879) IC17.2@69.775,65.879
CAL_IN19: C1T.2 IC17.3 R1T.2 | length 37.2
  L6 w0.127: v1(39.514,68.116) 40.548,69.15 64.65,69.15 64.906,68.894 68.806,68.894 69.25,68.45 69.25,67.15 68.629,66.529 v1(67.675,66.529)
  Bottom Layer w0.127: C1T.2@38.826,67.355 38.827,68.19 R1T.2@38.852,68.216 ; R1T.2@38.852,68.116 v1(39.514,68.116) ; v1(67.675,66.529) IC17.3@69.775,66.529
CAL_IN20: C1U.2 IC17.4 R1U.2 | length 16
  Top Layer w0.127: v1(56.514,68.116) 57.527,69.129 64.921,69.129 66.871,67.179 v1(68.55,67.179)
  Bottom Layer w0.127: C1U.2@55.826,67.355 55.827,68.19 R1U.2@55.852,68.216 ; R1U.2@55.852,68.116 v1(56.514,68.116) ; v1(68.55,67.179) IC17.4@69.775,67.179
CAL_IN21: C1V.2 IC17.5 R1V.2 | length 54.2
  Top Layer w0.127: C1V.2@21.826,67.395 21.827,66.56 R1V.2@21.852,66.534 ; R1V.2@21.852,66.634 v1(22.514,66.634)
  L6 w0.127: v1(22.514,66.634) 21.9,67.248 21.9,68.35 22.7,69.15 37.7,69.15 39.45,67.4 48.8,67.4 49.95,68.55 55.15,68.55 56.1,67.6 60.3,67.6 61.2,68.5 62.05,68.5 62.45,68.1 64.55,68.1 64.8,68.35 65.85,68.35 66.371,67.829 v1(67.675,67.829)
  Bottom Layer w0.127: v1(67.675,67.829) IC17.5@69.775,67.829